# Altium PCB IFAT6.PcbDoc (part 3 of 5) (continued)
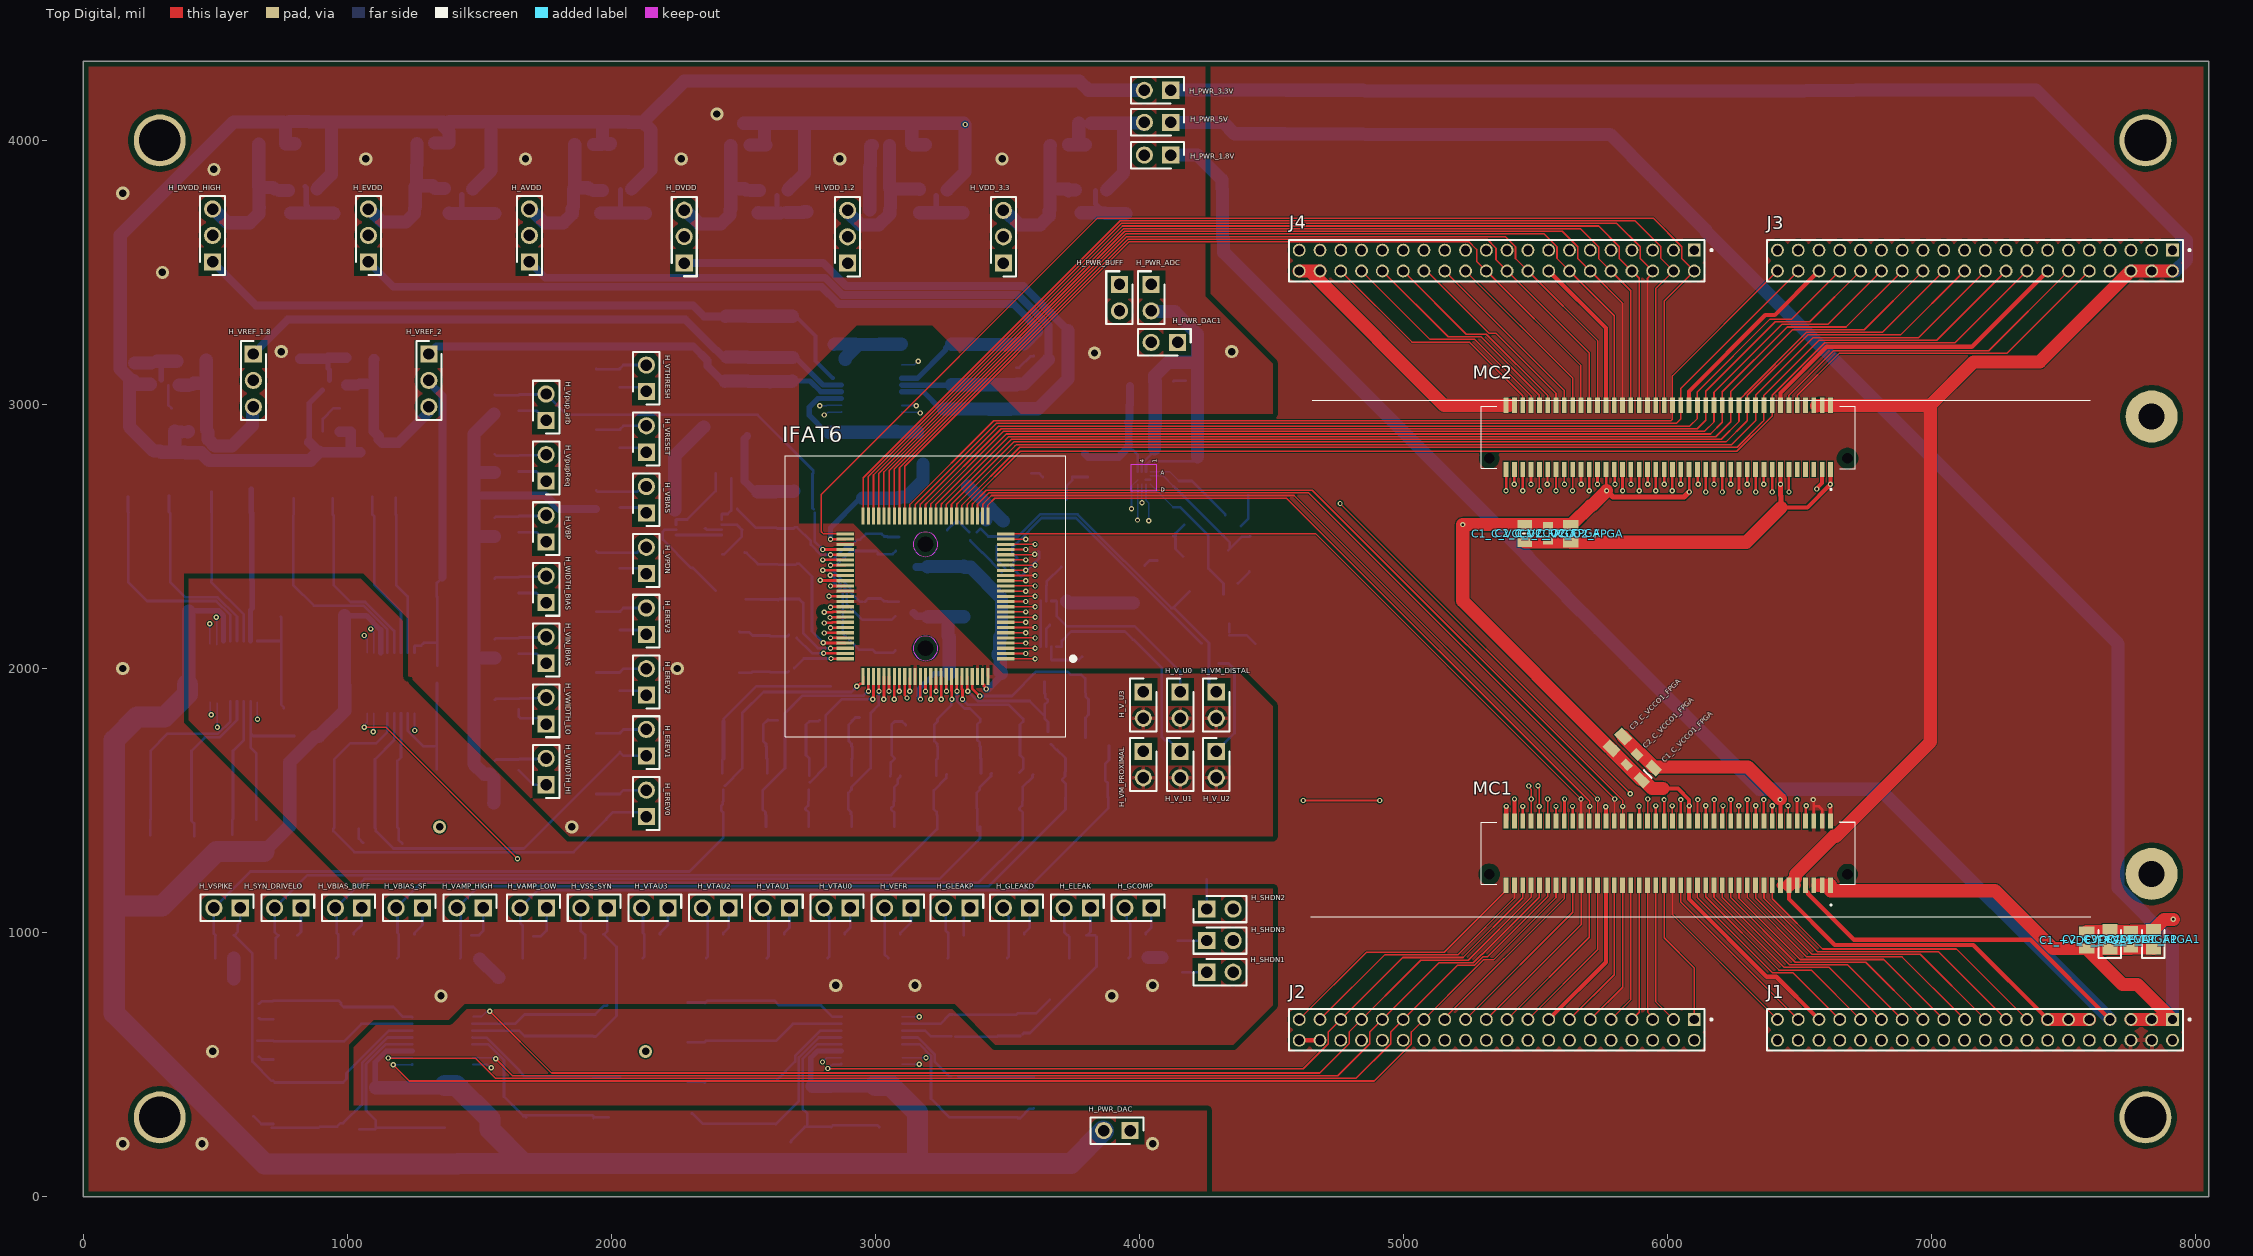
[diagram p0: Top Digital view]
## Nets (pads, with @x,y where several pads share a name; then routed paths per layer and width w, separated by ;. In a path a pad name is that pad's centre, name@x,y a point inside that pad or via, vN(x,y) a via of type N, cw(c..) or ccw(c..) an arc to the next point about the centre after c; other vN are vias at no path point) (continued)
  Digital w6: v2(1064.11,2125.12) 1064.11,2519.11 1915,3370 2331.72,3370 2811.72,3850 4856.28,3850 5109.01,3597.27 5109.01,3587.23 5156.36,3539.88 J4.26@5156.36,3505.53
  Bottom Analog w6: v2(1064.11,2125.12) 1064.11,2121.33 1075.43,2110 DAC4.1@1075.43,2059.95
DAC4_S\Y\N\C\: DAC4.2 J4.28 MC2.68 | length 5910.9
  Top Digital w6: J4.28@5077.62,3505.53 5088.61,3505.53 5324.34,3269.8 5350.2,3269.8 5577.74,3042.26 MC2.68@5577.74,2996.99
  Digital w6: v2(1088.96,2149.99) 1088.96,2529.81 1919.14,3360 2335.86,3360 2815.86,3840 4787.54,3840 5030.27,3597.27 5030.27,3587.23 5077.62,3539.88 J4.28@5077.62,3505.53
  Bottom Analog w6: v2(1088.96,2149.99) 1088.96,2147.25 1101.02,2135.19 DAC4.2@1101.02,2057.14
DAC4_SDI: DAC4.15 J4.30 MC2.70 | length 6217.5
  Top Digital w6: J4.30@4998.88,3505.53 5238.24,3266.17 5313.83,3266.17 5546.24,3033.76 MC2.70@5546.24,2996.99
  Digital w6: v2(1098.77,1760) 1245.22,1906.45 1245.22,2671.93 1923.28,3350 2340,3350 2820,3830 4718.8,3830 4951.53,3597.27 4951.53,3587.23 4998.88,3539.88 J4.30@4998.88,3505.53
  Bottom Analog w6: v2(1098.77,1760) 1099.9,1761.13 1099.9,1829.54 DAC4.15@1101.02,1830.67
DAC5_C\L\R\: DAC5.9 J2.32 MC1.72 | length 6499.6
  Top Digital w6: v1(5509.51,1556.37) 5509.51,1552.58 5514.75,1547.34 MC1.72@5514.75,1422.18
  Digital w6: v2(660.35,1807.54) 1152.89,1315 4459.04,1315 4716.04,1572 5493.88,1572 v1(5509.51,1556.37) ; J2.32@4920.14,592.14 4967.49,639.49 4967.49,788.88 5514.75,1336.14 v1(5514.75,1477.74)
  Bottom Analog w6: DAC5.9@659.96,1872.97 659.96,1807.93 v2@660.14,1807.75
DAC5_L\D\A\C\: DAC5.1 J2.34 MC1.74 | length 6969.5
  Top Digital w6: v1(5475,1555) 5475,1551.21 5484.2,1542.02 v1(5484.2,1505.68) 5483.72,1505.21 5483.72,1422.65 MC1.74@5483.25,1422.18
  Digital w6: v2(479.64,2169.2) 479.64,1964.21 1138.85,1305 4463.18,1305 4713.18,1555 v1(5475,1555) ; J2.34@4841.4,592.14 4888.75,639.49 4888.75,746.98 5484.2,1342.42 v1(5484.2,1505.68)
  Bottom Analog w6: v2(479.64,2169.2) 480.04,2168.81 480.04,2094 DAC5.1@480.32,2093.72
DAC5_S\Y\N\C\: DAC5.2 J4.24 MC2.64 | length 6374.4
  Top Digital w6: J4.24@5235.1,3505.53 5640.73,3099.9 MC2.64@5640.73,2996.99
  Digital w6: v2(504.33,2194.24) 725.09,2194.24 1910.86,3380 2327.57,3380 2807.57,3860 4925.02,3860 5187.75,3597.27 5187.75,3587.23 5235.1,3539.88 J4.24@5235.1,3505.53
  Bottom Analog w6: v2(504.33,2194.24) 505.18,2193.39 505.18,2090.73 DAC5.2@505.46,2090.45
DAC5_SDI: DAC5.15 J2.36 MC1.76 | length 6607.9
  Top Digital w10: MC1.76@5451.98,1427.54 5451.98,1477.46 v1(5452.2,1477.68)
  Digital w6: v2(508.39,1778.03) 1023.43,1263 4697.04,1263 4956.72,1522.68 5427.45,1522.68 5452.2,1497.93 v1(5452.2,1477.68)
  Digital w10: J2.36@4762.66,592.14 4808.01,637.5 4808.01,833.5 v1(5452.2,1477.68)
  Bottom Analog w6: DAC5.15@506.59,1868.58 507.21,1867.97 507.21,1779.22 v2(508.39,1778.03)
DAC_SCLK: DAC1.16 DAC2.16 DAC3.16 DAC4.16 DAC5.16 J2.26 MC1.66 | length 14146
  Top Digital w6: v2(1065,1777) 1148,1777 v1(1645,1280) ; v1(4620,1500) v1(4910,1500)
  Top Digital w10: MC1.66@5609.57,1427.43 5609.72,1427.58 v1@5609.72,1505.2
  Digital w6: v2(485.35,1824.54) 485.93,1824.54 1030.47,1280 4690,1280 4942.68,1532.68 5583.2,1532.68 v1(5610.2,1505.68) ; v2(1545.46,488.41) 2323.68,488.41 2362.28,527 3140.5,527 v2(3165.91,501.59) 5065.81,501.59 J2.26@5156.36,592.14 ; v2(3170.5,2967.66) 3367.66,2770.5 3367.66,2135.63 4003.28,1500 v1(4620,1500)
  Digital w10: J2.26@5156.36,592.14 5201.71,637.49 5201.71,871.24 5610.2,1279.72 v1(5610.2,1505.68)
  Bottom Analog w6: DAC5.16@480.39,1872.97 481.92,1871.44 481.92,1831.76 485.35,1828.33 v2(485.35,1824.54) ; v2(1065,1777) 1067.68,1779.68 1067.68,1788.49 1075.43,1796.24 DAC4.16@1075.43,1830.83 ; DAC3.16@1475.77,500.43 1530.62,500.43 1542.64,488.41 v2(1545.46,488.41) ; DAC1.16@3100.2,2971.22 3101.69,2969.73 3168.43,2969.73 v2(3170.5,2967.66) ; DAC2.16@3101.09,501.01 3164.89,501.01 v2@3165.69,501.81
  Bottom Analog w15: v2@3165.69,501.81 v2(3165.91,501.59)
DAC_VREF_1.8: ADC.A4 C1_REF_ADC.1 C1_VREF_DAC5.1 C2_REF_ADC.1 C2_VREF_DAC5.1 C3_REF_ADC.1 C3_VREF_DAC5.1 C4_REF_ADC.1 C4_VREF_DAC5.1 DAC5.8 H_VREF_1.8.2 | length 6114.2
  Analog 2 w30: H_VREF_1.8.2@644.37,3091.01 644.37,3084.39 592.89,3032.91 592.89,2582.89 ; v3(760,1850) 592.89,2017.11 592.89,2582.89 ; v3(3793.15,2813.15) 2361.85,2813.15 2250,2925 2250,3140 2120,3270 1280,3270 592.89,2582.89
  Bottom Analog w10: DAC5.8@659.57,2104.17 746.86,2104.17 C2_REF_ADC.1@749.57,2101.47 ; C3_REF_ADC.1@747.72,2196.57 749.57,2194.72 C2_REF_ADC.1@749.57,2101.47 ; v3(760,1850) 760,1852.71 749.57,1863.14 C2_REF_ADC.1@749.57,2101.47 ; C4_VREF_DAC5.1@3957.8,2827.78 3975.49,2827.78 3993.5,2809.78 ADC.A4@3993.5,2745.75
  Bottom Analog w30: v3(3793.15,2813.15) 3806.3,2800 3921.28,2800 3932.79,2811.51 3932.79,2812.79 3954,2834 3954,2839.91 C4_VREF_DAC5.1@3961.64,2847.54 ; C4_VREF_DAC5.1@3959.67,2839.67 3959.67,2928.71 3955.83,2932.54 3962.78,2939.49 3962.78,2995.25 3964.43,2996.9 3964.43,3069.29
DAC_VREF_2: C1_VREF_DAC2.1 C1_VREF_DAC3.1 C1_VREF_DAC4.1 C2_VREF_DAC2.1 C2_VREF_DAC3.1 C2_VREF_DAC4.1 C3_VREF_DAC2.1 C3_VREF_DAC3.1 C3_VREF_DAC4.1 C4_VREF_DAC2.1 C4_VREF_DAC3.1 C4_VREF_DAC4.1 DAC2.8 DAC3.8 DAC4.8 H_VREF_2.2 | length 6294.5
  Analog 1 w30: v4(1360,2345) 420,1405 420,975 420,912.77 551.77,781 615.53,781 v4(665.71,730.82) 665.71,729.29 760,635 2190,635 v4(2290,735)
  Bottom Analog w10: v4(665.71,730.82) 667.32,730.82 676.5,740 717.91,740 C4_VREF_DAC3.1@720.04,742.13 967.68,742.13 C1_VREF_DAC3.1@976.62,733.19 ; C1_VREF_DAC3.1@976.62,727.29 985.79,718.11 1174.8,718.11 1212.11,680.8 1244.59,680.8 DAC3.8@1245.83,679.57 ; DAC4.8@1254.57,2059.17 1254.57,2084.91 1256.31,2086.65 1279.73,2086.65 1290.58,2097.5 C2_VREF_DAC4.1@1337.36,2097.5 ; C3_VREF_DAC4.1@1341.34,2010 1341.34,2270.73 C4_VREF_DAC4.1@1339.57,2272.5 1339.57,2324.57 v4(1360,2345) ; v4(2290,735) 2353.19,735 C1_VREF_DAC2.1@2355,733.19 2363.94,742.13 C4_VREF_DAC2.1@2617.5,742.13 2635.14,724.49 2794.33,724.49 2838.02,680.8 2838.38,681.16 DAC2.8@2871.73,681.16
  Bottom Analog w30: H_VREF_2.2@1309.08,3091.01 1309.08,3084.39 1360.56,3032.91 1360.56,2345.56 v4(1360,2345)
DAC_VREF_INT: C1_VREF_DAC1.1 C2_VREF_DAC1.1 C3_VREF_DAC1.1 C4_VREF_DAC1.1 DAC1.8 | length 318.4
  Bottom Analog w50: C4_VREF_DAC1.1@2843.52,3227.36 2845.49,3229.33 C1_VREF_DAC1.1@2924.59,3229.33 ; 2886.22,3170 2886.22,3176.22 2937.36,3227.36 C2_VREF_DAC1.1@3013.52,3227.36 ; C2_VREF_DAC1.1@3017.07,3228.24 3097.64,3228.24 C3_VREF_DAC1.1@3098.52,3229.13
DGND: ADC.B4 ADC.C1 ADC.C2 Buffer1.4 Buffer2.4 Buffer3.4 C1_+VDC_FPGA1.2 C1_+VDC_FPGA2.2 C1_+VDC_FPGA3.2 C1_+VDC_FPGA4.2 C1_+VDC_FPGA5.2 C1_+VDC_FPGA6.2 C1_+VDC_FPGA7.2 C1_AVDD_ADC.2 C1_AVDD_DAC.2 C1_C_+VDC1.2 C1_C_+VDC2.2 C1_C_+VDC3.2 C1_C_AVDD1.2 C1_C_AVDD.2 C1_C_EVDD1.2 C1_C_EVDD2.2 C1_C_VCCO1_FPGA.2 C1_C_VCCO2_FPGA.2 C1_DVDD.2 C1_DVDD_ADC.2 C1_DVDD_DAC.2 C1_DVDD_HI.2 C1_DVDD_HI_DAC.2 C1_E_REV0.2 C1_E_REV1.2 C1_E_REV2.2 C1_E_REV3.2 C1_EL_DAC.2 C1_ELEAK.2 C1_EVDD_DAC.2 C1_GCOMP.2 C1_GCOMP_DAC.2 C1_GL_DIS.2 C1_GL_PROX.2 C1_GLDIST_DAC.2 C1_GLPROX_DAC.2 C1_IN_IBIAS_DAC.2 C1_REF_ADC.2 C1_SYN_DR_LO.2 C1_SYN_DRLO_DAC.2 C1_U_Capx41.2 C1_U_Capx42.2 C1_U_Capx43.2 C1_U_Capx44.2 C1_U_Capx45.2 C1_U_Capx46.2 C1_U_Capx47.2 C1_U_Capx48.2 C1_V_EREV0_DAC.2 C1_V_EREV1_DAC.2 C1_V_EREV2_DAC.2 C1_V_EREV3_DAC.2 C1_V_TAU0.2 C1_V_TAU1.2 C1_V_TAU2.2 C1_V_TAU3.2 C1_VAMP_HI_DAC.2 C1_VAMP_HIGH.2 C1_VAMP_LOW.2 C1_VAMP_LOW_DAC.2 C1_VB_BUFF_DAC.2 C1_VBIAS.2 C1_VBIAS_BUFF.2 C1_VBIAS_DAC.2 C1_VBIAS_SF.2 C1_VBIAS_SF_DAC.2 C1_VBP.2 C1_VBP_DAC.2 C1_VDC_DAC1.2 C1_VDC_DAC2.2 C1_VDC_DAC3.2 C1_VDC_DAC4.2 C1_VDC_DAC5.2 C1_VDD_1.2_DAC.2 C1_VIN_IBIAS.2 C1_VPDN.2 C1_VPDN_DAC.2 C1_Vpup_arb_DAC.2 C1_VpupArb.2 C1_VpupReq.2 C1_VpupReq_DAC.2 C1_VREF_1.8_DAC.2 C1_VREF_2_DAC.2 C1_VREF_DAC1.2 C1_VREF_DAC2.2 C1_VREF_DAC3.2 C1_VREF_DAC4.2 C1_VREF_DAC5.2 C1_VREFR.2 C1_VREFR_DAC.2 C1_VRESET.2 C1_VRESET_DAC.2 C1_VSPIKE.2 C1_VSPIKE_DAC.2 C1_VSS_SYN.2 C1_VSS_SYN_DAC.2 C1_VTAU0_DAC.2 C1_VTAU1_DAC.2 C1_VTAU2_DAC.2 C1_VTAU3_DAC.2 C1_VTHRESH.2 C1_VTHRESH_DAC.2 C1_WBIAS.2 C1_WBIAS_DAC.2 C1_WBIAS_HI.2 C1_WBIAS_HI_DAC.2 C1_WBIAS_LO.2 C1_WBIAS_LO_DAC.2 C2_+VDC_FPGA1.2 C2_+VDC_FPGA2.2 C2_+VDC_FPGA3.2 C2_+VDC_FPGA4.2 C2_+VDC_FPGA5.1 C2_+VDC_FPGA6.1 C2_+VDC_FPGA7.1 C2_AVDD_ADC.2 C2_AVDD_DAC.2 C2_C_+VDC1.1 C2_C_+VDC2.1 C2_C_+VDC3.1 C2_C_AVDD1.1 C2_C_AVDD.1 C2_C_EVDD1.1 C2_C_EVDD2.1 C2_C_VCCO1_FPGA.1 C2_C_VCCO2_FPGA.1 C2_DVDD.1 C2_DVDD_ADC.2 C2_DVDD_DAC.2 C2_DVDD_HI.1 C2_DVDD_HI_DAC.2 C2_E_REV0.1 C2_E_REV1.1 C2_E_REV2.1 C2_E_REV3.1 C2_EL_DAC.2 C2_ELEAK.1 C2_EVDD_DAC.2 C2_GCOMP.1 C2_GCOMP_DAC.2 C2_GL_DIS.1 C2_GL_PROX.1 C2_GLDIST_DAC.2 C2_GLPROX_DAC.2 C2_IN_IBIAS_DAC.2 C2_REF_ADC.2 C2_SYN_DR_LO.1 C2_SYN_DRLO_DAC.2 C2_U_Capx41.2 C2_U_Capx42.2 C2_U_Capx43.2 C2_U_Capx44.2 C2_U_Capx45.2 C2_U_Capx46.2 C2_U_Capx47.2 C2_U_Capx48.2 C2_V_EREV0_DAC.2 C2_V_EREV1_DAC.2 C2_V_EREV2_DAC.2 C2_V_EREV3_DAC.2 C2_V_TAU0.1 C2_V_TAU1.1 C2_V_TAU2.1 C2_V_TAU3.1 C2_VAMP_HI_DAC.2 C2_VAMP_HIGH.1 C2_VAMP_LOW.1 C2_VAMP_LOW_DAC.2 C2_VB_BUFF_DAC.2 C2_VBIAS.1 C2_VBIAS_BUFF.1 C2_VBIAS_DAC.2 C2_VBIAS_SF.1 C2_VBIAS_SF_DAC.2 C2_VBP.1 C2_VBP_DAC.2 C2_VDC_DAC1.2 C2_VDC_DAC2.2 C2_VDC_DAC3.2 C2_VDC_DAC4.2 C2_VDC_DAC5.2 C2_VDD_1.2_DAC.2 C2_VIN_IBIAS.1 C2_VPDN.1 C2_VPDN_DAC.2 C2_Vpup_arb_DAC.2 C2_VpupArb.1 C2_VpupReq.1 C2_VpupReq_DAC.2 C2_VREF_1.8_DAC.2 C2_VREF_2_DAC.2 C2_VREF_DAC1.2 C2_VREF_DAC2.2 C2_VREF_DAC3.2 C2_VREF_DAC4.2 C2_VREF_DAC5.2 C2_VREFR.1 C2_VREFR_DAC.2 C2_VRESET.1 C2_VRESET_DAC.2 C2_VSPIKE.1 C2_VSPIKE_DAC.2 C2_VSS_SYN.1 C2_VSS_SYN_DAC.2 C2_VTAU0_DAC.2 C2_VTAU1_DAC.2 C2_VTAU2_DAC.2 C2_VTAU3_DAC.2 C2_VTHRESH.1 C2_VTHRESH_DAC.2 C2_WBIAS.1 C2_WBIAS_DAC.2 C2_WBIAS_HI.1 C2_WBIAS_HI_DAC.2 C2_WBIAS_LO.1 C2_WBIAS_LO_DAC.2 C3_+VDC_FPGA1.2 C3_+VDC_FPGA2.2 C3_+VDC_FPGA3.2 C3_+VDC_FPGA4.2 C3_+VDC_FPGA5.1 C3_+VDC_FPGA6.1 C3_+VDC_FPGA7.1 C3_AVDD_ADC.2 C3_AVDD_DAC.2 C3_C_+VDC1.1 C3_C_+VDC2.1 C3_C_+VDC3.1 C3_C_AVDD1.1 C3_C_AVDD.1 C3_C_EVDD1.1 C3_C_EVDD2.1 C3_C_VCCO1_FPGA.1 C3_C_VCCO2_FPGA.1 C3_DVDD.1 C3_DVDD_ADC.2 C3_DVDD_DAC.2 C3_DVDD_HI.1 C3_DVDD_HI_DAC.2 C3_E_REV0.1 C3_E_REV1.1 C3_E_REV2.1 C3_E_REV3.1 C3_EL_DAC.2 C3_ELEAK.1 C3_EVDD_DAC.2 C3_GCOMP.1 C3_GCOMP_DAC.2 C3_GL_DIS.1 C3_GL_PROX.1 C3_GLDIST_DAC.2 C3_GLPROX_DAC.2 C3_IN_IBIAS_DAC.2 C3_REF_ADC.2 C3_SYN_DR_LO.1 C3_SYN_DRLO_DAC.2 C3_U_Capx41.2 C3_U_Capx42.2 C3_U_Capx43.2 C3_U_Capx44.2 C3_U_Capx45.2 C3_U_Capx46.2 C3_U_Capx47.2 C3_U_Capx48.2 C3_V_EREV0_DAC.2 C3_V_EREV1_DAC.2 C3_V_EREV2_DAC.2 C3_V_EREV3_DAC.2 C3_V_TAU0.1 C3_V_TAU1.1 C3_V_TAU2.1 C3_V_TAU3.1 C3_VAMP_HI_DAC.2 C3_VAMP_HIGH.1 C3_VAMP_LOW.1 C3_VAMP_LOW_DAC.2 C3_VB_BUFF_DAC.2 C3_VBIAS.1 C3_VBIAS_BUFF.1 C3_VBIAS_DAC.2 C3_VBIAS_SF.1 C3_VBIAS_SF_DAC.2 C3_VBP.1 C3_VBP_DAC.2 C3_VDC_DAC1.2 C3_VDC_DAC2.2 C3_VDC_DAC3.2 C3_VDC_DAC4.2 C3_VDC_DAC5.2 C3_VDD_1.2_DAC.2 C3_VIN_IBIAS.1 C3_VPDN.1 C3_VPDN_DAC.2 C3_Vpup_arb_DAC.2 C3_VpupArb.1 C3_VpupReq.1 C3_VpupReq_DAC.2 C3_VREF_1.8_DAC.2 C3_VREF_2_DAC.2 C3_VREF_DAC1.2 C3_VREF_DAC2.2 C3_VREF_DAC3.2 C3_VREF_DAC4.2 C3_VREF_DAC5.2 C3_VREFR.1 C3_VREFR_DAC.2 C3_VRESET.1 C3_VRESET_DAC.2 C3_VSPIKE.1 C3_VSPIKE_DAC.2 C3_VSS_SYN.1 C3_VSS_SYN_DAC.2 C3_VTAU0_DAC.2 C3_VTAU1_DAC.2 C3_VTAU2_DAC.2 C3_VTAU3_DAC.2 C3_VTHRESH.1 C3_VTHRESH_DAC.2 C3_WBIAS.1 C3_WBIAS_DAC.2 C3_WBIAS_HI.1 C3_WBIAS_HI_DAC.2 C3_WBIAS_LO.1 C3_WBIAS_LO_DAC.2 C4_+VDC_FPGA1.2 C4_+VDC_FPGA2.2 C4_+VDC_FPGA3.2 C4_+VDC_FPGA4.2 C4_AVDD_ADC.2 C4_AVDD_DAC.2 C4_DVDD_ADC.2 C4_DVDD_DAC.2 C4_DVDD_HI_DAC.2 C4_EL_DAC.2 C4_EVDD_DAC.2 C4_GCOMP_DAC.2 C4_GLDIST_DAC.2 C4_GLPROX_DAC.2 C4_IN_IBIAS_DAC.2 C4_REF_ADC.2 C4_SYN_DRLO_DAC.2 C4_U_Capx41.2 C4_U_Capx42.2 C4_U_Capx43.2 C4_U_Capx44.2 C4_U_Capx45.2 C4_U_Capx46.2 C4_U_Capx47.2 C4_U_Capx48.2 C4_V_EREV0_DAC.2 C4_V_EREV1_DAC.2 C4_V_EREV2_DAC.2 C4_V_EREV3_DAC.2 C4_VAMP_HI_DAC.2 C4_VAMP_LOW_DAC.2 C4_VB_BUFF_DAC.2 C4_VBIAS_DAC.2 C4_VBIAS_SF_DAC.2 C4_VBP_DAC.2 C4_VDC_DAC1.2 C4_VDC_DAC2.2 C4_VDC_DAC3.2 C4_VDC_DAC4.2 C4_VDC_DAC5.2 C4_VDD_1.2_DAC.2 C4_VPDN_DAC.2 C4_Vpup_arb_DAC.2 C4_VpupReq_DAC.2 C4_VREF_1.8_DAC.2 C4_VREF_2_DAC.2 C4_VREF_DAC1.2 C4_VREF_DAC2.2 C4_VREF_DAC3.2 C4_VREF_DAC4.2 C4_VREF_DAC5.2 C4_VREFR_DAC.2 C4_VRESET_DAC.2 C4_VSPIKE_DAC.2 C4_VSS_SYN_DAC.2 C4_VTAU0_DAC.2 C4_VTAU1_DAC.2 C4_VTAU2_DAC.2 C4_VTAU3_DAC.2 C4_VTHRESH_DAC.2 C4_WBIAS_DAC.2 C4_WBIAS_HI_DAC.2 C4_WBIAS_LO_DAC.2 C_1_AVDD.2 C_1_DVDD.2 C_1_DVDD_HIGH.2 C_1_EVDD.2 C_1_VDD_1.2.2 C_1_VDD_3.3.2 C_1_VREF_1.8.2 C_1_VREF_2v.2 C_2_AVDD.2 C_2_DVDD.2 C_2_DVDD_HIGH.2 C_2_EVDD.2 C_2_VDD_1.2.2 C_2_VDD_3.3.2 C_2_VREF_1.8.2 C_2_VREF_2v.2 C_3_AVDD.2 C_3_DVDD.2 C_3_DVDD_HIGH.2 C_3_EVDD.2 C_3_VDD_1.2.2 C_3_VDD_3.3.2 C_3_VREF_1.8.2 C_3_VREF_2v.2 C_4_AVDD.2 C_4_DVDD.2 C_4_DVDD_HIGH.2 C_4_EVDD.2 C_4_VDD_1.2.2 C_4_VDD_3.3.2 C_4_VREF_1.8.2 C_4_VREF_2v.2 C_ADC1.2 C_ADC2.2 C_ADC3.2 C_ADC4.2 C_ADC5.2 C_ADC6.2 C_ELEAK.1 C_EREV0.1 C_EREV1.1 C_EREV2.1 C_EREV3.1 C_GLEAKD.1 C_GLEAKP.1 C_SYN_DRIVELO.1 C_VAMP_LOW.1 C_VBIAS_BUFF.1 C_VBIAS_SF.1 C_VPDN.1 C_VREFR.1 C_VRESET.1 C_VSS_SYN.1 C_VTAU0.1 C_VTAU1.1 C_VTAU2.1 C_VTAU3.1 C_VTHRESH.1 C_VWIDTH_LO.1 C_WIDTH_BIAS.1 DAC1.14 DAC2.14 DAC3.14 DAC4.14 DAC5.14 H_V_U0.2 H_V_U1.2 H_V_U2.2 H_V_U3.2 H_VM_DISTAL.2 H_VM_PROXIMAL.2 IFAT6.53 IFAT6.62 IFAT6.64 IFAT6.86 IFAT6.98 IFAT6.100 J1.2 J1.14 J1.35 J2.15 J2.38 J2.40 J3.1 J3.13 J3.14 J3.36 J4.16 J4.38 J4.40 LDO_AVDD.6 LDO_AVDD.9 LDO_AVDD.13 LDO_DVDD.6 LDO_DVDD.9 LDO_DVDD.13 LDO_DVDD_HIGH.6 LDO_DVDD_HIGH.9 LDO_DVDD_HIGH.13 LDO_EVDD.6 LDO_EVDD.9 LDO_EVDD.13 LDO_VDD_1.2.6 LDO_VDD_1.2.9 LDO_VDD_1.2.13 LDO_VDD_3.3.6 LDO_VDD_3.3.9 LDO_VDD_3.3.13 LDO_VREF_1.8.6 LDO_VREF_1.8.9 LDO_VREF_1.8.13 LDO_VREF_2v.6 LDO_VREF_2v.9 LDO_VREF_2v.13 MC1.2 MC1.14 MC1.35 MC1.55 MC1.78 MC1.80 MC2.1 MC2.13 MC2.14 MC2.36 MC2.56 MC2.78 MC2.80 R_AVDD.1 R_DVDD.1 R_DVDD_HIGH.1 R_EVDD.1 R_SHDN1.2 R_SHDN2.2 R_SHDN3.2 R_V_U0.2 R_V_U1.2 R_V_U2.2 R_V_U3.2 R_VDD_1.2.1 R_VDD_3.3.1 R_VM_DISTAL.2 R_VM_PROXIMAL.2 R_VREF_1.8.1 R_VREF_2v.1 | length 8843.2
  Top Digital w16: J2.40@4605.18,592.14 J2.38@4683.92,592.14 ; MC1.80@5389.09,1427.44 5389.09,1477.36 v2(5389.41,1477.68) ; MC2.78@5419.26,3017.49 5420.14,3016.61 MC2.78@5420.14,2990.06 ; v2(5420.41,1505.68) 5420.59,1505.5 MC1.78@5420.59,1427.43 ; J4.16@5550.06,3498.53 5557.06,3498.53 5766.6,3288.99 MC2.56@5766.6,2990.06 ; J2.15@5550.51,676.05 5555.23,676.05 5766.72,887.54 MC1.55@5766.72,1184.18 ; MC2.36@6081.56,2990.06 6081.56,3049.49 6370.32,3338.25 6406.41,3338.25 6566.68,3498.53 J3.36@6573.68,3498.53 ; MC1.35@6081.68,1184.18 6081.68,1126.69 6375.52,832.84 6411.73,832.84 J1.35@6568.52,676.05 ; v2(6426.29,1503.56) 6426.29,1502.47 6428.27,1500.49 MC1.14@6428.27,1427.62 ; v2(6427.96,2697.51) 6428.05,2697.6 MC2.13@6428.05,2747.01 ; MC2.14@6428.01,2990.06 6428.01,3043.57 6602.7,3218.25 7152.55,3218.25 7432.83,3498.53 J3.14@7439.83,3498.53 ; 6430,2610 6529.45,2610 6617.04,2697.59 MC2.1@6617.04,2747.11 ; v2@6615,1478.15 6615.77,1478.15 6617.11,1476.81 MC1.2@6617.11,1427.76
  Top Digital w20: v2(6427.96,2697.51) 6427.96,2654.78 6430,2652.74 6430,2610
  Top Digital w50: J4.40@4605.18,3505.53 4644.55,3505.53 ; J4.38@4683.92,3505.53 4644.55,3505.53 ; 5402.01,2996.99 5153.09,2996.99 4644.55,3505.53 ; C1_C_VCCO2_FPGA.2@5460,2478.96 5460.3,2478.66 5633.49,2478.66 C3_C_VCCO2_FPGA.1@5633.79,2478.37 6298.37,2478.37 6430,2610 ; C3_C_VCCO1_FPGA.1@5832.27,1742.27 5947.09,1627.46 6304.66,1627.46 v2@6426.62,1505.49 ; C1_+VDC_FPGA1.2@7587.5,1002.91 C3_+VDC_FPGA1.2@7755,1002.91 ; C3_+VDC_FPGA1.2@7757.36,1005.28 7833.66,1005.28 C4_+VDC_FPGA1.2@7836.46,1008.07 ; C4_+VDC_FPGA1.2@7843.54,1012.8 7880.75,1050 v2(7915,1050)
  Bottom Analog w10: LDO_VREF_1.8.9@321.57,3073.09 321.57,2998.8 LDO_VREF_1.8.13@334.37,2986.01 ; v4(665,530) 665.56,530 676.5,519.06 C4_SYN_DRLO_DAC.2@720.04,519.06 ; v3(665,675) 667.71,675 671.44,671.26 C4_VREF_DAC3.2@720.04,671.26 ; LDO_VREF_2v.6@907.6,2898.92 907.6,2945.53 948.08,2986.01 LDO_VREF_2v.13@971.58,2986.01 ; C3_V_EREV1_DAC.2@1044.09,1393.43 1044.09,1355.93 v4(1060,1340) ; v3(2355,2530) 2357.71,2530 2362.71,2525 Buffer2.4@2418.23,2525 ; v3(3459.18,2464.77) 3459.18,2412.78 Buffer3.4@3492.48,2379.47 ; C3_AVDD_DAC.2@3534.48,3139.49 3543.93,3139.49 3586.7,3182.26 3598.09,3182.26 v4(3600,3184.18) ; Buffer1.4@3646.64,2082.4 3646.64,2148.93 3660,2162.29 v3(3660,2165) ; ADC.C2@4025,2714.25 ADC.C1@4040.75,2714.25 ; C4_AVDD_ADC.2@4129.02,3087.5 4131.52,3090 v4(4175,3090)
  Bottom Analog w50: C4_U_Capx45.2@2978.61,3737.5 2978.61,3899.76 2981.88,3903.03 2981.88,3977.89 2984.24,3980.26 C3_U_Capx45.2@2988.97,3980.26
  other v2: 6615,1480 6616.96,2697.51
  other v5: 150,200 450,200 4050,200 490,550 2130,550 1354.95,760 3895,760 2850,800 3150,800 4050,800 1350,1400 1850,1400 150,2000 2250,2000 3830,3195 750,3200 4350,3200 300,3500 150,3800 495,3890 1070,3930 1675,3930 2265,3930 2865,3930 3480,3930 2400,4100
DVDD: C1_DVDD.1 C2_DVDD.2 C3_DVDD.2 H_DVDD.2 IFAT6.52 | length 1837.1
  Top Digital w10: v2(2830.11,2489.79) 2830.17,2489.85 2885.81,2489.85 IFAT6.52@2885.87,2489.9
  Analog 1 w50: H_DVDD.2@2280.34,3635.45 2283.2,3632.58 2325.03,3632.58 2360.69,3596.93 2360.69,3594.31 v4(3180,2775)
  Bottom Analog w20: v2(2830.11,2489.79) 2830.11,2532.23 2942.88,2645 C1_DVDD.1@2952.33,2645
  Bottom Analog w50: C1_DVDD.1@2952.33,2645 C3_DVDD.2@3087.67,2645 ; C3_DVDD.2@3092.69,2650.02 3119.72,2650.02 3180,2710.3 v4(3180,2775)
DVDD_DAC: C1_DVDD_DAC.1 C2_DVDD_DAC.1 C3_DVDD_DAC.1 C4_DVDD_DAC.1 DAC1.13 H_DVDD.1 | length 2431.3
  Bottom Analog w20: DAC1.13@3100.2,3047.99 3182.43,3047.99 C3_DVDD_DAC.1@3247.47,2982.95
  Bottom Analog w30: H_DVDD.1@2276.29,3535.45 2802.72,3535.45 2889.17,3449 3560.57,3449 3730,3279.57
  Bottom Analog w50: C3_DVDD_DAC.1@3258.69,2982.95 3342.81,2982.95 C1_DVDD_DAC.1@3427.81,2982.95 ; C1_DVDD_DAC.1@3431.74,2981.86 3510.84,2981.86 C4_DVDD_DAC.1@3512.81,2983.83 3616.35,2983.83 3730,3097.48 3730,3279.57
DVDD_HIGH: C1_DVDD_HI.1 C2_DVDD_HI.2 C3_DVDD_HI.2 H_DVDD_HIGH.2 IFAT6.61 | length 3526.6
  Top Digital w10: v2(2830,2312.52) 2830.11,2312.63 2885.76,2312.63 IFAT6.61@2885.87,2312.74
  Analog 1 w30: v2(2830,2312.52) 2852.52,2312.52 2880,2340
  Analog 1 w50: H_DVDD_HIGH.2@490,3640 855,3640 1220,3275 2120,3275 2880,2515 2880,2340
  Bottom Analog w30: v4(2515,2880) 2505,2870 2505,2709.14 2541.56,2672.58 2551,2672.58 C1_DVDD_HI.1@2553.92,2669.67
  Bottom Analog w50: C1_DVDD_HI.1@2553.92,2669.67 C2_DVDD_HI.2@2621.42,2669.67 ; C2_DVDD_HI.2@2621.42,2670.75 2690.33,2670.75 C3_DVDD_HI.2@2691.42,2671.83
DVDD_HIGH_DAC: C1_DVDD_HI_DAC.1 C2_DVDD_HI_DAC.1 C3_DVDD_HI_DAC.1 C4_DVDD_HI_DAC.1 DAC1.6 H_DVDD_HIGH.1 | length 2584.6
  Bottom Analog w15: C3_DVDD_HI_DAC.1@2686.68,3334.14 2697.91,3334.14 2772.89,3259.16 2772.89,3165.24 2838.34,3099.78 DAC1.6@2839.98,3099.78
  Bottom Analog w30: H_DVDD_HIGH.1@490,3540 655,3375 2310,3375 2351.75,3333.25 C4_DVDD_HI_DAC.1@2432.57,3333.25
  Bottom Analog w50: C4_DVDD_HI_DAC.1@2432.57,3333.25 2434.54,3335.22 C1_DVDD_HI_DAC.1@2513.63,3335.22 ; C1_DVDD_HI_DAC.1@2517.57,3334.14 C3_DVDD_HI_DAC.1@2686.68,3334.14
DVDD_HIGH_LDO: C1_U_Capx43.1 C2_U_Capx43.1 C3_U_Capx43.1 C4_U_Capx43.1 H_DVDD_HIGH.3 LDO_DVDD_HIGH.10 LDO_DVDD_HIGH.11 LDO_DVDD_HIGH.12 | length 561.8
  Bottom Analog w50: H_DVDD_HIGH.3@490,3740 494.05,3740 546.1,3687.95 631.72,3687.95 665.57,3721.8 665.57,3743.13 C4_U_Capx43.1@667.93,3745.49 ; C1_U_Capx43.1@664,3825.49 664.78,3826.28 C3_U_Capx43.1@664.78,3985.49 ; C4_U_Capx43.1@665.96,3749.04 C1_U_Capx43.1@665.96,3821.56 ; C1_U_Capx43.1@668.92,3821.56 719.29,3821.56 724.88,3815.96 ; LDO_DVDD_HIGH.12@742.62,3810.49 777.5,3810.49
DVDD_LDO: C1_U_Capx42.1 C2_U_Capx42.1 C3_U_Capx42.1 C4_U_Capx42.1 H_DVDD.3 LDO_DVDD.10 LDO_DVDD.11 LDO_DVDD.12 | length 558.3
  Bottom Analog w50: H_DVDD.3@2276.29,3735.45 2280.34,3735.45 2332.39,3683.4 2415.5,3683.4 2449.36,3717.25 C4_U_Capx42.1@2449.36,3737.4 ; C4_U_Capx42.1@2452.65,3740.68 C2_U_Capx42.1@2452.65,3900.45 ; C2_U_Capx42.1@2452.65,3903.99 2452.65,3980.01 C3_U_Capx42.1@2453.57,3980.94 ; C1_U_Capx42.1@2456.29,3820.94 2460.23,3817 2504.42,3817 2508.97,3812.46 ; LDO_DVDD.12@2525.11,3810.45 2561.29,3810.45
E_REV0: C1_E_REV0.1 C2_E_REV0.2 C3_E_REV0.2 C_EREV0.2 H_EREV0.2 IFAT6.80 R_EREV0.2 | length 1860.5
  Top Digital w10: IFAT6.80@3032.52,1969.23 3032.67,1969.08 v2@3032.67,1881.21
  Analog 2 w10: H_EREV0.2@2130.88,1537.27 2224.15,1630.53 2802.83,1630.53 ; v2@3031.87,1880.41 3030.67,1879.2 3030.67,1858.37 2802.83,1630.53 ; v3(3095,1593.37) 3075.46,1612.91 2820.46,1612.91 2802.83,1630.53
  Bottom Analog w10: C_EREV0.2@1942.79,1524.61 R_EREV0.2@2032.79,1524.61 2032.79,1526.46 2045.51,1539.17 H_EREV0.2@2132.79,1539.17 ; C3_E_REV0.2@3072.24,1400.87 3072.24,1454.13 3059.65,1466.73 C2_E_REV0.2@3059.65,1470.87 3070,1481.22 3070,1496.85 3071.65,1498.5 3071.65,1550.31 3084.57,1563.23 3084.57,1580.23 3095,1590.66 v3(3095,1593.37)
  other v2: 3031.87,1883.37
E_REV1: C1_E_REV1.1 C2_E_REV1.2 C3_E_REV1.2 C_EREV1.2 H_EREV1.2 IFAT6.79 R_EREV1.2 | length 1790.3
  Top Digital w10: IFAT6.79@3012.83,1969.23 3013.25,1968.81 3013.25,1913.79 v2(3013.67,1913.37)
  Analog 2 w10: H_EREV1.2@2132.79,1769.17 2921.68,1769.17 3012.87,1860.37 3012.87,1912.57 v2(3013.67,1913.37)
  Bottom Analog w10: C_EREV1.2@1942.79,1754.61 R_EREV1.2@2032.79,1754.61 2032.79,1756.46 2045.51,1769.17 H_EREV1.2@2132.79,1769.17 ; C3_E_REV1.2@2910.18,1400.87 2910.18,1444.8 2907.93,1447.05 2907.93,1456.38 2897.58,1466.73 2897.58,1528.86 C1_E_REV1.1@2909.59,1540.87 2909.59,1550.31 2982.03,1622.76 2982.03,1830.52 3012.87,1861.36 3012.87,1912.57 v2(3013.67,1913.37)
E_REV2: C1_E_REV2.1 C2_E_REV2.2 C3_E_REV2.2 C_EREV2.2 H_EREV2.2 IFAT6.78 R_EREV2.2 | length 1820.8
  Top Digital w10: v2(2989.8,1883.17) 2989.8,1885.87 2993.15,1889.22 IFAT6.78@2993.15,1969.23
  Analog 2 w10: H_EREV2.2@2132.79,1999.17 2248.8,1883.17 v2(2989.8,1883.17)
  Bottom Analog w10: C_EREV2.2@1942.79,1984.61 R_EREV2.2@2032.79,1984.61 2032.79,1986.46 2045.51,1999.17 H_EREV2.2@2132.79,1999.17 ; C1_E_REV2.1@2747.52,1540.87 2747.52,1498.5 2745.87,1496.85 2745.87,1481.22 C2_E_REV2.2@2735.51,1470.87 2735.51,1466.73 2748.11,1454.13 C3_E_REV2.2@2748.11,1400.87 ; 2752.61,1569.1 2811.65,1628.15 2811.65,1822.21 2872.61,1883.17 v2(2989.8,1883.17)
E_REV3: C1_E_REV3.1 C2_E_REV3.2 C3_E_REV3.2 C_EREV3.2 H_EREV3.2 IFAT6.77 R_EREV3.2 | length 2045.9
  Top Digital w10: IFAT6.77@2973.46,1969.23 2973.81,1968.89 2973.81,1913.71 v2(2974.15,1913.37)
  Analog 2 w10: H_EREV3.2@2132.79,2229.17 2448.6,1913.37 v2(2974.15,1913.37)
  Bottom Analog w10: C_EREV3.2@1942.79,2214.61 R_EREV3.2@2032.79,2214.61 2032.79,2216.46 2045.51,2229.17 H_EREV3.2@2132.79,2229.17 ; C3_E_REV3.2@2586.05,1400.87 2586.05,1444.8 2583.8,1447.05 2583.8,1456.38 2573.45,1466.73 2573.45,1538.31 2657.9,1622.76 2657.9,1830.52 2724.54,1897.17 2955.24,1897.17 2971.44,1913.37 v2(2974.15,1913.37)
ELEAK: C1_ELEAK.1 C2_ELEAK.2 C3_ELEAK.2 C_ELEAK.2 H_ELEAK.2 IFAT6.96 R_ELEAK.2 | length 1481.8
  Top Digital w10: IFAT6.96@3347.48,1969.23 3348.39,1968.33 3348.39,1914.98 v2(3350,1913.37)
  Analog 2 w10: v3(3654,1760.58) 3715,1699.58 H_ELEAK.2@3715,1093.37
  Bottom Analog w10: v2(3350,1913.37) 3386.68,1876.69 3584.15,1876.69 C1_ELEAK.1@3640,1820.84 ; C3_ELEAK.2@3640.87,1949.93 3640.87,1905.99 3643.12,1903.75 3643.12,1890.28 C2_ELEAK.2@3653.47,1879.93 3653.47,1875.79 3641.46,1863.78 C1_ELEAK.1@3641.46,1809.93 3654,1797.39 v3(3654,1760.58) ; H_ELEAK.2@3715,1093.37 3715,1002.15 3727.72,989.43 R_ELEAK.2@3729.57,989.43 3735,984 C_ELEAK.2@3735,903.37
ELEAK_DAC: C1_EL_DAC.1 C2_EL_DAC.1 C3_EL_DAC.1 C4_EL_DAC.1 DAC2.11 H_ELEAK.1 R_ELEAK.1 | length 1091.1
  Bottom Analog w10: DAC2.11@3101.67,628.39 3188.4,628.39 3209.87,606.91 C4_EL_DAC.1@3287.5,606.91 ; C4_EL_DAC.1@3302.07,605.08 C2_EL_DAC.1@3463.92,605.08 ; C2_EL_DAC.1@3463.92,608.23 C1_EL_DAC.1@3549.98,608.23 ; C1_EL_DAC.1@3557.85,615.38 3561.85,619.37 3585.78,619.37 3837.5,871.1 3837.5,983.68 3831.18,990 3799.04,990 R_ELEAK.1@3798.46,989.43 ; R_ELEAK.1@3802.85,990 3815,1002.15 H_ELEAK.1@3815,1093.37
EVDD: C1_C_EVDD1.1 C1_C_EVDD2.1 C2_C_EVDD1.2 C2_C_EVDD2.2 C3_C_EVDD1.2 C3_C_EVDD2.2 H_EVDD.2 IFAT6.63 IFAT6.99 | length 3833.1
  Top Digital w10: IFAT6.63@2885.87,2273.37 2885.82,2273.32 v2(2824.28,2273.28) ; IFAT6.99@3406.54,1969.23 3407.44,1968.33 3407.44,1941.75 3411.31,1937.88 3411.31,1933.02 3420,1924.34 v2(3420,1922.54) ; v2(2824.28,2273.28) v2(2824.28,2273.28)
  Analog 1 w30: v2(2824.28,2273.28) 3043.28,2273.28
  Analog 1 w50: H_EVDD.2@1080,3640 1465,3640 1755,3350 2190,3350 v4(3155,2385) 3043.28,2273.28
  Bottom Analog w25: v2(3420,1922.54) 3428.14,1922.54 3451.81,1946.22 3451.81,1946.72 3478.23,1973.13 C3_C_EVDD2.2@3478.23,1981.99
  Bottom Analog w30: v4(3155,2385) 3197.01,2385 C3_C_EVDD1.2@3197.5,2385.49
  Bottom Analog w50: C3_C_EVDD1.2@3197.5,2385.49 3198.58,2386.57 3333.92,2386.57 C1_C_EVDD1.1@3335,2387.66 3335,2385.49 3337.36,2383.13 3361.25,2383.13 3477.64,2266.74 C1_C_EVDD2.1@3477.64,2121.99 ; C2_C_EVDD2.2@3465.63,2049.63 3473.31,2041.95 3473.31,1985.93 3477.24,1981.99 C3_C_EVDD2.2@3478.23,1981.99 ; C2_C_EVDD2.2@3465.63,2055.93 3470.55,2060.85 C1_C_EVDD2.1@3470.55,2119.63